# Allegro board rt1064_som_wifi.brd (continued)
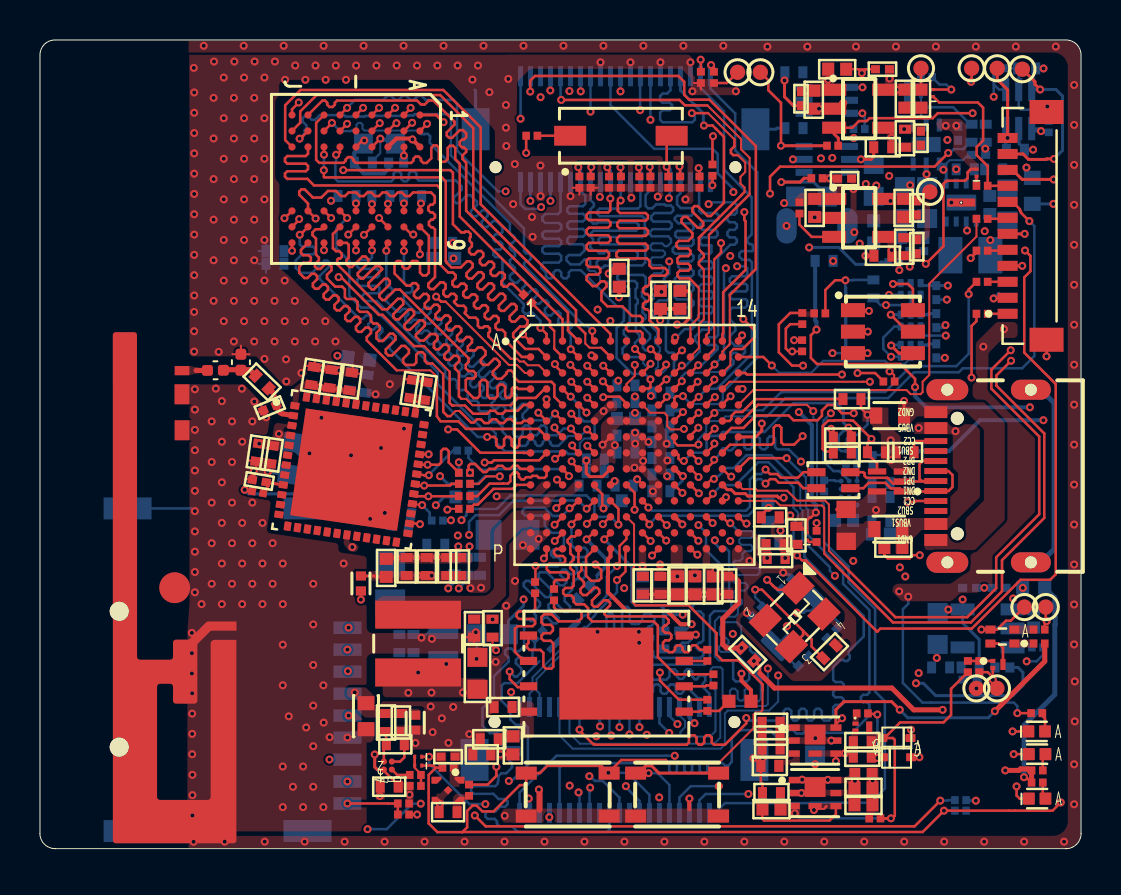
[diagram p0: board, top side]
## Routing (per net, layer and track width the routed paths; a pad name or vN(x,y) marks a point on that pad's centre or on a via; arc(x,y) is an arc through that point) (continued)
SEMC_A12: length 24
  TOP w0.127: U9.G1 13.82,36.33 13.82,34.48 13.97,34.32 15.19,34.32 15.31,34.44 15.31,34.5 15.42,34.61 15.57,34.61 15.69,34.5 15.69,34.44 15.8,34.32 18.06,34.32 18.06,34.32 18.57,34.32 18.69,34.43 18.69,34.52 18.8,34.64 18.96,34.64 19.07,34.52 19.07,34.43 19.18,34.32 19.35,34.32 19.58,34.55 19.58,35.08 19.69,35.19 19.85,35.19 19.96,35.08 19.96,34.5 20.09,34.38 20.27,34.38 20.4,34.51 20.4,35.06 20.51,35.18 20.67,35.18 20.78,35.06 20.78,34.51 21,34.29 21,31.64 26.15,26.49 U3.A3
SEMC_BA0: length 24.1
  TOP w0.102: U3.C1 24.27,23.81 23.87,24.21 23.47,24.21 20.3,27.38
  TOP w0.127: v1(19.82,27.63) 20.07,27.38 20.3,27.38 ; U9.G7 v1(14.57,31.56)
  SIG1 w0.127: v1(19.82,27.63) 19.67,27.78 19.67,31.32 19.5,31.49 19.2,31.49 19.09,31.6 19.09,31.76 19.2,31.87 19.49,31.87 19.67,32.05 19.67,32.51 19.52,32.66 19.28,32.66 19.17,32.77 19.17,33.14 19.06,33.26 18.9,33.26 18.79,33.14 18.79,32.77 18.68,32.66 18.55,32.66 18.44,32.77 18.44,33.12 18.33,33.23 18.17,33.23 18.06,33.12 18.06,32.77 17.95,32.66 17.79,32.66 17.68,32.77 17.68,33.12 17.57,33.23 17.41,33.23 17.3,33.12 17.3,32.77 17.19,32.66 17.03,32.66 16.92,32.77 16.92,33.12 16.8,33.23 16.65,33.23 16.54,33.12 16.54,32.77 16.42,32.66 16.27,32.66 16.14,32.78 16.14,33.25 16.03,33.36 15.87,33.36 15.76,33.25 15.76,32.77 15.67,32.68 15.53,32.68 15.16,33.05 15,33.05 14.89,32.93 14.89,32.78 15.26,32.41 15.26,32.26 14.82,31.82 14.82,31.81 v1(14.57,31.56)
SEMC_BA1: length 24.1
  TOP w0.102: 19.64,24.28 20.18,23.75 ; 21,21.9 20.8,21.9 20.54,21.65
  TOP w0.127: 19.64,24.28 19.39,24.28 19.26,24.41 19.26,24.72 19.14,24.85 18.96,24.85 18.83,24.72 18.83,24.33 18.71,24.21 18.3,24.21 18.17,24.34 18.17,24.52 18.46,24.81 18.46,24.97 18.27,25.16 18.09,25.16 17.61,24.68 17.43,24.68 17.31,24.81 17.31,24.99 17.79,25.47 17.79,25.65 17.67,25.77 17.51,25.77 17.15,25.41 16.97,25.41 16.84,25.53 16.84,25.81 17,25.98 17,26.15 16.88,26.28 16.69,26.28 16.56,26.41 16.56,26.69 16.38,26.87 16.01,26.87 15.89,26.99 15.89,27.36 15.75,27.51 15.35,27.51 15.26,27.6 15.26,28 15.13,28.13 14.77,28.13 14.36,28.54 14.36,28.72 14.59,28.95 14.59,29.14 14.46,29.26 14.28,29.26 14.03,29.01 13.87,29.01 13.76,29.13 13.76,29.26 13.96,29.45 13.96,29.58 13.81,29.73 13.81,30.53 13.64,30.7 13.64,30.84 13.79,31 14.09,31 U9.G8 ; U3.F1 24.2,21.41 24.09,21.3 23.77,21.3 23.58,21.5 23.4,21.5 23.2,21.3 23.01,21.3 22.82,21.49 22.63,21.49 22.44,21.3 22.25,21.3 22.06,21.49 21.87,21.49 21.7,21.32 21.57,21.32 21,21.9 ; 20.54,21.65 20.39,21.65 20.18,21.86 20.18,23.75
SEMC_CAS: length 24.8
  TOP w0.127: U9.F7 v1(15.37,31.56) ; v1(26.56,22.62) 26.53,22.62 U3.D3
  BOTTOM w0.102: 26.78,19.74 27.01,19.98 27.01,20.3 27.24,20.53 27.53,20.53
  BOTTOM w0.127: 26.78,19.74 26.76,19.74 26.76,19.75 26.44,19.75 26.32,19.88 23.27,19.88 22.81,20.35 22.81,20.78 22.55,21.03 22.12,21.03 19.89,23.26 19.9,23.27 19.9,23.84 16.67,27.08 16.07,27.08 15.48,27.67 15.48,29.4 14.84,30.05 14.84,31.03 v1(15.37,31.56) ; v1(26.56,22.62) 26.98,22.2 26.98,21.62 27.23,21.38 27.63,21.38 27.75,21.25 27.75,20.75 27.53,20.53
SEMC_CKE: length 24.1
  TOP w0.127: U3.A2 25.35,25.76 v1(25.04,26.07) ; v1(14.82,34.73) 14.89,34.73 15.01,34.85 U9.F3
  BOTTOM w0.127: v1(25.04,26.07) 25.04,26.42 24.64,26.83 24.48,26.83 24.43,26.78 24.27,26.78 24.16,26.89 24.16,27.05 24.21,27.09 24.21,27.25 23.14,28.32 23.14,29.49 23.03,29.61 22.8,29.61 22.69,29.72 22.69,29.87 22.8,29.99 23.03,29.99 23.14,30.1 23.14,30.26 23.03,30.37 22.8,30.37 22.69,30.48 22.69,30.64 22.8,30.75 23.03,30.75 23.14,30.86 23.14,31.1 22.83,31.41 22.68,31.41 22.38,31.11 22.22,31.11 22.11,31.22 22.11,31.38 22.41,31.68 22.41,31.84 22.3,31.95 22.14,31.95 21.84,31.65 21.68,31.65 21.57,31.76 21.57,31.92 21.87,32.22 21.87,32.38 21.54,32.71 21.38,32.71 20.98,32.31 20.82,32.31 20.71,32.42 20.71,32.58 21.11,32.98 21.11,33.14 20.8,33.44 18.95,33.44 18.84,33.55 18.84,33.78 18.73,33.89 18.57,33.89 18.46,33.78 18.46,33.51 18.35,33.4 18.19,33.4 18.08,33.51 18.08,33.78 17.97,33.89 17.81,33.89 17.7,33.78 17.7,33.51 17.58,33.39 14.91,33.39 14.78,33.52 14.78,34.34 14.82,34.37 v1(14.82,34.73)
SEMC_CLK: length 3.4
  TOP w0.102: 25.74,25.91 25.74,25.1 25.73,25.09 25.73,25.03
  TOP w0.127: 25.73,25.03 U3.B3 ; R74.1 25.52,26.4 25.52,26.13 25.74,25.91
SEMC_CS0: length 24
  TOP w0.102: 19.22,25.15 19.24,25.13 19.24,25.13 19.53,24.85 19.53,24.84 20.5,23.87 ; 20.68,22.18 21.09,22.18 21.26,22.18
  TOP w0.127: 19.22,25.15 18.72,25.15 17.86,26.01 17.85,26.01 17.14,26.72 16.95,26.72 15.06,28.61 v1(14.95,28.61) ; 20.68,22.18 20.63,22.18 20.5,22.31 20.5,23.87 ; U9.G9 v1(14.21,29.95) ; U3.E1 24.2,22.21 23.91,21.91 23.29,21.91 23.14,21.77 22.91,21.77 22.76,21.91 22.53,21.91 22.38,21.77 21.68,21.77 21.26,22.18
  SIG1 w0.127: v1(14.95,28.61) 14.95,29.03 14.83,29.15 14.75,29.15 14.63,29.26 14.63,29.41 14.75,29.53 14.83,29.53 14.95,29.64 14.95,29.8 14.83,29.91 14.75,29.91 14.63,30.02 14.63,30.18 14.75,30.29 14.83,30.29 14.95,30.4 14.95,30.68 14.81,30.82 13.66,30.82 13.5,30.66 13.5,30.49 13.61,30.38 13.75,30.38 13.86,30.27 13.86,30.11 13.75,30 13.61,30 13.5,29.89 13.5,29.73 13.61,29.62 13.75,29.62 13.86,29.51 13.86,29.35 13.75,29.24 13.61,29.24 13.5,29.13 13.5,28.47 13.63,28.34 14.22,28.34 14.34,28.47 14.34,29.47 14.21,29.6 v1(14.21,29.95)
SEMC_D0: length 24.2
  TOP w0.127: U3.E3 25.74,22.62 25.74,23.22 25.6,23.36 23.96,23.36 23.72,23.61 23.72,23.78 23.58,23.93 23.44,23.93 23.34,23.82 23.34,23.76 23.09,23.52 22.87,23.52 22.66,23.72 22.66,23.88 23,24.21 23,24.35 22.83,24.52 22.72,24.52 22.42,24.21 22.18,24.21 22.06,24.33 22.06,24.48 22.3,24.72 22.3,24.9 22.11,25.09 21.93,25.09 21.78,24.94 21.45,24.94 21.41,24.97 21.41,25.13 21.62,25.34 21.62,25.5 21.51,25.61 21.35,25.61 21.14,25.4 20.98,25.4 20.87,25.51 20.87,25.67 21.08,25.88 21.08,26.03 20.97,26.15 20.81,26.15 20.6,25.94 20.45,25.94 20.33,26.05 20.33,26.21 20.54,26.42 20.54,26.57 20.43,26.68 20.27,26.68 20.06,26.48 19.91,26.48 19.8,26.59 19.8,26.75 20,26.95 20,27.11 19.89,27.22 19.73,27.22 19.53,27.02 19.37,27.02 19.26,27.13 19.26,27.29 19.46,27.49 19.46,27.65 19.35,27.76 19.19,27.76 18.99,27.56 18.83,27.56 18.72,27.67 18.72,27.83 18.92,28.03 18.92,28.19 18.81,28.3 18.65,28.3 18.53,28.18 18.35,28.18 17.74,28.78 17.74,29.28 17.87,29.41 18.02,29.41 18.14,29.3 18.14,29.14 18.25,29.02 18.41,29.02 18.52,29.14 18.52,29.3 18.63,29.41 18.87,29.41 19.02,29.26 19.02,28.83 19.15,28.69 19.33,28.69 19.46,28.82 19.46,30.67 U9.A8
SEMC_D1: length 24.2
  TOP w0.127: U3.F3 25.85,21.71 25.85,21.71 25.78,21.78 v1(25.77,21.78) ; U9.B9 v1(18.21,29.91)
  BOTTOM w0.127: v1(25.77,21.78) 25.44,21.44 24.28,21.44 24.15,21.56 24.15,21.74 24.4,21.99 24.4,22.15 24.29,22.26 24.13,22.26 23.84,21.97 23.68,21.97 23.57,22.08 23.57,22.24 23.86,22.53 23.86,22.69 23.75,22.8 23.59,22.8 23.3,22.51 23.14,22.51 23.03,22.62 23.03,22.78 23.32,23.07 23.32,23.23 23.21,23.34 23.05,23.34 22.76,23.05 22.6,23.05 22.49,23.16 22.49,23.32 22.78,23.61 22.78,23.76 22.67,23.88 22.51,23.88 22.22,23.59 22.06,23.59 21.95,23.7 21.95,23.86 22.24,24.15 22.24,24.3 22.13,24.42 21.97,24.42 21.68,24.12 21.52,24.12 21.41,24.24 21.41,24.39 21.7,24.68 21.7,24.84 21.59,24.95 21.43,24.95 21.14,24.66 20.99,24.66 20.87,24.78 20.87,24.93 21.16,25.22 21.16,25.38 21.05,25.49 20.89,25.49 20.6,25.2 20.45,25.2 20.33,25.31 20.33,25.47 20.63,25.76 20.63,25.92 20.51,26.03 20.36,26.03 20.07,25.74 19.91,25.74 19.8,25.85 19.8,26.01 20.09,26.3 20.09,26.46 19.97,26.57 19.82,26.57 19.53,26.28 19.37,26.28 19.26,26.39 19.26,26.55 19.55,26.84 19.55,27 19.44,27.11 19.28,27.11 18.99,26.82 18.83,26.82 18.21,27.44 18.21,27.71 18.32,27.82 18.52,27.82 18.63,27.93 18.63,28.09 18.52,28.2 18.32,28.2 18.21,28.31 v1(18.21,29.91)
SEMC_D2: length 24.4
  TOP w0.127: v1(18.68,30.74) 18.66,30.76 18.57,30.76 U9.B8 ; U3.F4 v1(26.59,21.77)
  SIG1 w0.102: 25.21,22.06 25.57,22.06 25.63,22.13 25.92,22.13 25.98,22.06 26.06,22.06
  SIG1 w0.127: v1(18.68,30.74) 18.68,31.07 18.77,31.16 19.23,31.16 19.38,31.01 19.38,27.56 19.46,27.48 19.46,27.47 19.67,27.26 19.68,27.26 19.95,26.98 20.11,26.98 20.31,27.18 20.47,27.18 20.58,27.06 20.58,26.91 20.38,26.71 20.38,26.55 20.49,26.44 20.65,26.44 20.85,26.64 21,26.64 21.12,26.53 21.12,26.37 20.92,26.17 20.92,26.01 21.03,25.9 21.19,25.9 21.39,26.1 21.54,26.1 21.66,25.99 21.66,25.83 21.46,25.63 21.46,25.48 21.59,25.34 21.75,25.34 22.14,25.74 22.3,25.74 22.41,25.62 22.41,25.47 22.02,25.07 22.02,24.92 22.11,24.83 22.27,24.83 22.63,25.18 22.78,25.18 22.89,25.07 22.89,24.91 22.54,24.56 22.54,24.4 22.65,24.29 22.81,24.29 23.16,24.64 23.32,24.64 23.43,24.53 23.43,24.38 23.08,24.02 23.08,23.86 23.19,23.75 23.35,23.75 23.7,24.11 23.86,24.11 23.97,23.99 23.97,23.84 23.62,23.48 23.62,23.32 23.71,23.23 23.87,23.23 24.22,23.59 24.38,23.59 24.49,23.47 24.49,23.32 24.14,22.96 24.14,22.8 24.23,22.71 24.38,22.71 24.57,22.9 24.73,22.9 24.84,22.79 24.84,22.63 24.65,22.44 24.65,22.28 24.75,22.18 25.09,22.18 25.21,22.06 ; 26.06,22.06 26.36,21.77 v1(26.59,21.77)
SEMC_D3: length 24.1
  TOP w0.127: U3.G4 26.57,20.99 v1(26.57,21.03) ; v1(17.33,29.92) 17.33,30.24 U9.C9
  BOTTOM w0.127: v1(17.33,29.92) 17.33,28.21 17.44,28.1 17.53,28.1 17.64,27.99 17.64,27.83 17.53,27.72 17.44,27.72 17.33,27.61 17.33,27.4 17.86,26.87 18.02,26.87 18.16,27.01 18.32,27.01 18.43,26.9 18.43,26.74 18.29,26.6 18.29,26.44 18.4,26.33 18.56,26.33 18.7,26.47 18.86,26.47 18.97,26.36 18.97,26.2 18.83,26.06 18.83,25.9 18.94,25.79 19.1,25.79 19.24,25.93 19.39,25.93 19.51,25.82 19.51,25.66 19.37,25.52 19.37,25.36 19.48,25.25 19.64,25.25 19.78,25.39 19.93,25.39 20.05,25.28 20.05,25.12 19.91,24.98 19.91,24.82 20.02,24.71 20.18,24.71 20.32,24.85 20.47,24.85 20.58,24.74 20.58,24.58 20.44,24.44 20.44,24.29 20.56,24.17 20.71,24.17 20.85,24.31 21.01,24.31 21.12,24.2 21.12,24.04 20.98,23.9 20.98,23.75 21.1,23.63 21.25,23.63 21.39,23.77 21.55,23.77 21.66,23.66 21.66,23.5 21.52,23.36 21.52,23.21 21.63,23.1 21.79,23.1 21.93,23.24 22.09,23.24 22.2,23.12 22.2,22.97 22.06,22.83 22.06,22.67 22.17,22.56 22.33,22.56 22.47,22.7 22.63,22.7 22.74,22.58 22.74,22.43 22.6,22.29 22.6,22.13 22.71,22.02 22.87,22.02 23.01,22.16 23.17,22.16 23.28,22.05 23.28,21.89 23.14,21.75 23.14,21.59 23.25,21.48 23.41,21.48 23.55,21.62 23.71,21.62 23.82,21.51 23.82,21.35 23.68,21.21 23.68,20.76 23.83,20.61 24.01,20.61 24.16,20.75 24.16,21.07 24.27,21.18 24.43,21.18 24.54,21.07 24.54,20.81 24.66,20.69 24.86,20.69 24.97,20.81 24.97,21.06 25.08,21.18 25.24,21.18 25.35,21.06 25.35,20.81 25.47,20.69 25.88,20.69 26.21,21.03 v1(26.57,21.03)
SEMC_D4: length 26
  TOP w0.127: v1(16.97,31.56) 16.97,31.56 U9.C8 ; U3.F2 v1(24.94,21.82)
  SIG1 w0.127: v1(16.97,31.56) 17.2,31.33 17.33,31.33 17.45,31.21 17.45,31.05 17.58,30.92 17.76,30.92 17.91,31.07 17.91,31.15 18.02,31.26 18.26,31.26 18.34,31.18 18.34,30.91 18.18,30.75 18.05,30.75 17.92,30.63 17.92,30.5 18.07,30.35 18.09,30.37 18.67,30.37 18.79,30.25 18.79,30.11 18.65,29.96 18.65,29.59 18.65,29.59 18.46,29.4 18.46,29.26 18.53,29.19 19.06,29.19 19.14,29.11 19.14,28.95 19.05,28.86 18.56,28.86 18.47,28.78 18.47,28.61 18.61,28.48 18.98,28.48 19.08,28.38 19.08,28.25 18.98,28.15 18.59,28.15 18.46,28.02 18.46,27.84 18.55,27.75 18.92,27.75 19.14,27.53 19.14,27.1 18.87,26.84 18.87,26.68 18.99,26.57 19.14,26.57 19.41,26.83 19.57,26.83 19.68,26.72 19.68,26.56 19.41,26.3 19.41,26.14 19.53,26.03 19.68,26.03 19.95,26.29 20.11,26.29 20.22,26.18 20.22,26.03 19.95,25.76 19.95,25.6 20.06,25.49 20.22,25.49 20.49,25.76 20.65,25.76 20.76,25.64 20.76,25.49 20.49,25.22 20.49,25.06 20.6,24.95 20.76,24.95 21.03,25.22 21.19,25.22 21.3,25.1 21.3,24.95 21.03,24.68 21.03,24.52 21.14,24.41 21.3,24.41 21.57,24.68 21.73,24.68 21.84,24.57 21.84,24.41 21.57,24.14 21.57,23.98 21.68,23.87 21.84,23.87 22.11,24.14 22.26,24.14 22.38,24.03 22.38,23.87 22.11,23.6 22.11,23.44 22.22,23.33 22.38,23.33 22.65,23.6 22.8,23.6 22.97,23.43 22.97,23.27 22.84,23.15 22.84,22.99 22.96,22.88 23.11,22.88 23.24,23 23.4,23 24.59,21.82 v1(24.94,21.82)
SEMC_D5: length 24
  TOP w0.127: U3.G5 27.45,20.91 v1(27.38,20.98) ; U9.D9 v1(16.61,29.94)
  BOTTOM w0.102: v1(27.38,20.98) 27.13,20.73 26.9,20.73 26.82,20.65 26.43,20.65
  BOTTOM w0.127: v1(16.61,29.94) 16.61,29.58 16.5,29.46 16.01,29.46 15.87,29.32 15.87,29.14 15.99,29.02 16.86,29.02 16.97,28.91 16.97,28.69 16.88,28.6 16.01,28.6 15.88,28.47 15.88,28.29 16.01,28.16 16.9,28.16 16.99,28.07 16.99,27.87 16.91,27.8 16.25,27.8 16.13,27.67 16.13,27.54 16.26,27.41 16.86,27.41 20.28,23.99 20.28,23.66 20.44,23.49 20.6,23.49 20.6,23.5 20.76,23.5 20.87,23.39 20.87,23.23 20.87,23.22 20.87,23.06 20.98,22.95 21.14,22.95 21.14,22.96 21.3,22.96 21.41,22.85 21.41,22.69 21.41,22.68 21.41,22.53 21.52,22.41 21.68,22.41 21.68,22.42 21.84,22.42 21.95,22.31 21.95,22.15 21.95,22.14 21.95,21.99 22.06,21.87 22.21,21.87 22.22,21.88 22.38,21.88 22.49,21.77 22.49,21.61 22.48,21.61 22.48,21.45 22.6,21.34 22.92,21.34 23.14,21.12 23.14,20.88 23.86,20.16 24.29,20.16 24.4,20.27 24.4,20.35 24.51,20.46 24.67,20.46 24.78,20.35 24.78,20.27 24.89,20.16 25.05,20.16 25.16,20.27 25.16,20.35 25.27,20.46 25.43,20.46 25.54,20.35 25.54,20.27 25.66,20.16 25.94,20.16 26.43,20.65
SEMC_D6: length 24.1
  TOP w0.127: U9.D8 16.21,30.72 v1(16.21,30.72) ; U3.H5 v1(27.39,20.16)
  SIG1 w0.102: 23.92,20.63 26.93,20.63 v1(27.39,20.16)
  SIG1 w0.127: 23.92,20.63 20.45,24.1 20.29,24.1 20.08,23.88 19.92,23.88 19.81,23.99 19.81,24.15 20.02,24.37 20.02,24.52 19.91,24.64 19.75,24.64 19.54,24.42 19.38,24.42 19.27,24.53 19.27,24.69 19.49,24.91 19.49,25.06 16.82,27.73 16.34,27.73 16.21,27.85 16.21,28.05 16.32,28.16 17.27,28.16 17.39,28.27 17.39,28.43 17.27,28.54 16.32,28.54 16.21,28.65 16.21,28.81 16.32,28.92 17.27,28.92 17.39,29.03 17.39,29.19 17.27,29.3 16.32,29.3 16.21,29.42 v1(16.21,30.72)
SEMC_D7: length 24.3
  TOP w0.127: v1(26.63,20.18) 26.63,20.12 U3.H4 ; U9.E9 v1(15.81,29.94)
  SIG1 w0.102: 23.68,19.93 25.99,19.93 26.25,20.18 v1(26.63,20.18)
  SIG1 w0.127: 23.68,19.93 23.57,20.03 23.57,20.2 23.74,20.36 23.74,20.47 23.62,20.59 23.42,20.59 23.35,20.52 23.35,20.46 23.05,20.17 22.88,20.17 22.8,20.25 22.8,20.5 23.07,20.76 23.07,21.06 22.94,21.18 22.76,21.18 22.55,20.97 22.17,20.97 22.01,21.13 22.01,21.29 22.32,21.6 22.32,21.76 22.21,21.87 22.05,21.87 21.74,21.56 21.58,21.56 21.47,21.67 21.47,21.83 21.78,22.14 21.78,22.3 21.67,22.41 21.51,22.41 21.2,22.1 21.04,22.1 20.93,22.21 20.93,22.37 21.24,22.68 21.24,22.84 21.13,22.95 20.97,22.95 20.66,22.64 20.5,22.64 20.39,22.75 20.39,22.91 20.7,23.22 20.7,23.38 20.59,23.49 20.44,23.49 20.12,23.18 19.97,23.18 16.37,26.77 16.37,26.93 16.53,27.08 16.53,27.24 16.41,27.35 16.26,27.35 16.11,27.2 15.94,27.2 15.81,27.33 v1(15.81,29.94)
SEMC_D8: length 24.9
  TOP w0.127: U9.E1 v1(16.17,37.08) ; U3.C6 28.25,24.11 28.25,24.11 v1(28.19,24.17)
  SIG1 w0.127: v1(16.17,37.08) 16.17,38.04 16.57,38.44 20.97,38.44 22.7,36.71 22.7,34.86 23.26,34.3 23.26,33.6 22.86,33.19 22.86,30.41 27.11,26.15 27.11,25.85 27.49,25.47 28.06,25.47 28.19,25.35 28.19,24.94 28.19,24.93 28.19,24.44 28.19,24.44 v1(28.19,24.17)
SEMC_D9: length 24.6
  TOP w0.127: U9.D2 v1(17,36.31) ; v1(27.39,24.17) 27.45,24.11 27.45,24.11 U3.C5
  SIG1 w0.127: v1(17,36.31) 16.59,36.73 16.59,37.83 16.9,38.14 20.71,38.14 22.2,36.65 22.2,33.59 22.31,33.48 22.43,33.48 22.54,33.37 22.54,33.21 22.43,33.1 22.31,33.1 22.2,32.99 22.2,32.83 22.31,32.72 22.43,32.72 22.54,32.61 22.54,32.45 22.43,32.34 22.31,32.34 22.2,32.23 22.2,32.09 22.41,31.89 22.41,30.3 26.8,25.91 26.8,25.7 27.23,25.27 27.23,24.33 v1(27.39,24.17)
SEMC_D10: length 24
  TOP w0.127: U3.D5 v1(27.39,23.37) ; U9.D1 v1(16.97,37.08)
  SIG1 w0.127: v1(16.97,37.08) 16.97,37.67 17.1,37.8 20.62,37.8 21.82,36.59 21.82,33.66 21.97,33.5 21.97,33.28 21.82,33.12 21.82,32.91 21.97,32.76 21.97,32.53 21.82,32.38 21.82,31.86 22.09,31.59 22.09,30.04 23.7,28.44 23.7,28.23 23.88,28.05 24.28,28.05 24.54,27.79 24.54,27.42 24.77,27.19 25.13,27.19 25.3,27.03 25.3,26.84 25.5,26.64 25.68,26.64 25.89,26.43 25.89,26.25 25.87,26.23 25.87,26 25.98,25.89 26.34,25.89 26.4,25.83 26.4,25.49 26.53,25.36 26.81,25.36 26.93,25.23 26.93,24.85 26.8,24.71 26.8,24.48 26.96,24.31 26.96,23.49 27.08,23.37 v1(27.39,23.37)
SEMC_D11: length 24.1
  TOP w0.127: v1(17.84,36.31) 17.8,36.31 U9.C2 ; U3.C4 v1(26.54,24.21)
  SIG1 w0.127: v1(17.84,36.31) 17.59,36.56 17.59,36.61 17.58,36.62 17.58,36.64 17.4,36.81 17.4,37.37 17.53,37.49 20.3,37.49 21.52,36.27 21.52,36.02 21.41,35.91 21.2,35.91 21.09,35.8 21.09,35.64 21.2,35.53 21.41,35.53 21.52,35.41 21.52,35.26 21.41,35.15 21.2,35.15 21.09,35.03 21.09,34.88 21.2,34.76 21.41,34.76 21.52,34.65 21.52,34.5 21.41,34.38 21.2,34.38 21.09,34.27 21.09,34.11 21.2,34 21.41,34 21.48,33.93 21.48,33.75 21.37,33.64 21.36,33.64 21.25,33.53 21.25,33.37 21.36,33.26 21.37,33.26 21.48,33.15 21.48,31.5 21.76,31.23 21.76,29.78 25.08,26.46 25.2,26.46 25.6,26.07 25.6,25.91 25.39,25.7 25.39,25.55 25.5,25.44 25.66,25.44 25.87,25.64 26.02,25.64 26.15,25.51 26.15,24.61 v1(26.54,24.21) 26.59,24.17
SEMC_D12: length 24.3
  TOP w0.127: U9.C1 v1(17.77,37.08) ; U3.D4 v1(26.59,23.37)
  SIG1 w0.127: v1(26.59,23.37) 26.59,23.69 26.42,23.86 25.88,23.86 25.88,23.87 25.53,23.87 22.17,27.23 22.17,27.41 22.62,27.87 22.62,28.02 22.51,28.14 22.35,28.14 21.9,27.69 21.74,27.69 21.63,27.8 21.63,27.96 22.08,28.41 22.08,28.56 21.97,28.68 21.81,28.68 21.36,28.23 21.17,28.23 21.03,28.37 21.03,28.69 21.14,28.8 21.48,28.8 21.6,28.91 21.6,29.07 21.48,29.18 21.22,29.18 21.11,29.29 21.11,30.75 20.55,31.32 20.55,33.57 20.44,33.68 20.15,33.68 20.04,33.79 20.04,33.95 20.15,34.06 20.44,34.06 20.55,34.17 20.55,35.36 19.83,36.08 19.83,36.58 19.7,36.71 18.14,36.71 v1(17.77,37.08)
SEMC_D13: length 24
  TOP w0.127: U3.E5 v1(27.39,22.57) ; U9.B2 v1(18.62,36.33)
  SIG1 w0.102: v1(27.39,22.57) 26.94,22.12 26.4,22.12 25.76,22.76 25.6,22.76 25.51,22.85
  SIG1 w0.127: v1(18.62,36.33) 17.4,35.11 17.4,33.69 17.51,33.58 17.67,33.58 17.78,33.69 17.78,34.05 17.89,34.16 18.05,34.16 18.16,34.05 18.16,33.69 18.27,33.58 18.43,33.58 18.54,33.69 18.54,34.05 18.66,34.16 18.81,34.16 18.93,34.05 18.93,33.69 19.04,33.58 19.22,33.58 19.92,32.88 19.95,32.88 19.95,28.07 20.16,27.85 20.47,27.85 20.58,27.74 20.58,27.43 21.62,26.39 21.97,26.39 25.51,22.85
SEMC_D14: length 24.2
  TOP w0.127: v1(25.77,24.25) 25.79,24.23 25.79,24.17 25.85,24.11 25.85,24.11 U3.C3 ; v1(18.55,37.07) 18.55,37.05 U9.B1
  SIG1 w0.127: v1(25.77,24.25) 25.77,24.79 25.68,24.88 25.52,24.88 25.31,24.67 25.16,24.67 25.05,24.79 25.05,24.94 25.25,25.15 25.25,25.31 25.18,25.38 24.97,25.38 24.82,25.23 24.63,25.23 24.48,25.38 24.48,25.51 24.65,25.68 24.65,26.37 24.51,26.5 24.36,26.5 23.89,26.04 23.73,26.04 23.62,26.15 23.62,26.31 24.09,26.77 24.09,26.93 23.97,27.04 23.82,27.04 23.35,26.58 23.19,26.58 23.08,26.69 23.08,26.85 23.55,27.31 23.55,27.52 23.48,27.59 23.3,27.59 23,27.3 22.85,27.3 22.73,27.41 22.73,27.61 23,27.88 23,28.07 21.45,29.62 21.45,30.98 20.83,31.6 20.83,31.75 20.94,31.86 21.07,31.86 21.18,31.97 21.18,32.13 21.07,32.24 20.94,32.24 20.83,32.35 20.83,32.51 20.94,32.62 21.07,32.62 21.18,32.74 21.18,32.89 21.07,33 20.94,33 20.83,33.12 20.83,36.48 20.23,37.07 v1(18.55,37.07)
SEMC_D15: length 24.1
  TOP w0.127: U3.E4 26.97,22.21 v1(27.35,21.83) ; U9.A2 v1(19.37,36.28)
  SIG1 w0.127: v1(27.35,21.83) 27.79,22.27 27.79,22.7 27.82,22.73 27.82,22.74 27.9,22.83 27.9,22.98 27.78,23.11 27.72,23.11 27.61,22.99 27.22,22.99 27.09,23.12 26.9,23.12 26.78,23 26.78,22.99 26.71,22.99 26.71,22.99 26.39,22.99 26.33,23.05 26.2,23.18 26.12,23.18 26.05,23.17 25.88,23 25.75,23 25.66,23.08 25.66,23.24 25.67,23.25 25.67,23.4 25.56,23.51 25.4,23.51 25.39,23.51 25.24,23.51 24.93,23.81 24.93,24.07 24.8,24.21 24.54,24.21 24.4,24.35 24.4,24.61 24.26,24.75 24,24.75 23.86,24.89 23.86,25.15 23.72,25.28 23.46,25.28 23.32,25.42 23.32,25.68 23.18,25.82 22.92,25.82 22.78,25.96 22.78,26.22 22.64,26.36 22.38,26.36 22.24,26.5 22.24,26.76 22.1,26.9 21.84,26.9 21.67,27.07 21.67,27.23 21.68,27.24 21.68,27.4 21.57,27.51 21.41,27.51 21.4,27.5 21.24,27.5 21.13,27.61 21.13,27.77 21.14,27.78 21.14,27.94 21.03,28.05 20.87,28.05 20.86,28.04 20.7,28.04 20.27,28.48 20.27,28.6 20.46,28.79 20.75,28.79 20.86,28.9 20.86,29.06 20.75,29.17 20.38,29.17 20.27,29.29 20.27,33.01 19.37,33.91 19.37,34.12 19.48,34.23 19.76,34.23 19.88,34.34 19.88,34.5 19.76,34.61 19.48,34.61 19.37,34.72 v1(19.37,36.28)
SEMC_DM0: length 24.3
  TOP w0.127: U3.H3 26.11,19.81 25.81,19.5 25.78,19.5 v1(25.78,19.51) ; U9.E8 v1(15.43,30.73)
  SIG1 w0.127: v1(25.78,19.51) 25.42,19.51 25.33,19.42 25.19,19.42 25.08,19.53 25.08,19.6 24.97,19.71 24.81,19.71 24.7,19.6 24.7,19.53 24.59,19.42 24.43,19.42 24.32,19.53 24.32,19.6 24.2,19.71 24.05,19.71 23.94,19.6 23.94,19.53 23.82,19.42 23.67,19.42 23.55,19.53 23.55,19.6 23.44,19.71 23.28,19.71 23.17,19.6 23.17,19.53 23.06,19.42 22.72,19.42 22.45,19.69 22.27,19.69 22.18,19.78 22.18,19.94 22.27,20.04 22.27,20.19 22.16,20.31 22,20.31 21.91,20.21 21.75,20.21 21.66,20.3 21.66,20.46 21.86,20.66 21.86,20.81 21.75,20.92 21.59,20.92 21.39,20.73 21.23,20.73 21.12,20.84 21.12,21 21.32,21.19 21.32,21.35 21.21,21.46 21.05,21.46 20.85,21.27 20.69,21.27 20.58,21.38 20.58,21.54 20.78,21.73 20.78,21.89 20.67,22 20.51,22 20.31,21.81 20.16,21.81 20.04,21.92 20.04,22.08 20.24,22.27 20.24,22.43 20.13,22.54 19.97,22.54 19.77,22.35 19.62,22.35 19.5,22.46 19.5,22.62 19.7,22.81 19.7,22.97 19.59,23.08 19.43,23.08 19.24,22.88 19.08,22.88 18.93,23.03 18.93,23.19 19.02,23.28 19.02,23.44 18.91,23.55 18.75,23.55 18.58,23.39 18.42,23.39 15.43,26.38 v1(15.43,30.73)
SEMC_DM1: length 25.2
  TOP w0.127: U3.D6 28.25,23.31 28.25,23.31 v1(28.17,23.39) ; U9.F1 v1(15.37,37.08)
  SIG1 w0.102: v1(28.17,23.39) 28.56,23.78 28.56,25.53
  SIG1 w0.127: 28.56,25.53 27.79,26.31 27.43,26.31 23.3,30.43 23.3,30.9 23.41,31.01 23.43,31.01 23.54,31.12 23.54,31.28 23.43,31.39 23.41,31.39 23.3,31.5 v1(23.3,32.9)
  BOTTOM w0.127: v1(15.37,37.08) 15.77,37.47 17.18,37.47 17.39,37.69 17.56,37.69 17.77,37.47 17.94,37.47 18.16,37.69 18.32,37.69 18.54,37.47 18.7,37.47 18.92,37.69 19.08,37.69 19.3,37.47 20.7,37.47 20.87,37.31 20.87,34.95 22.92,32.9 v1(23.3,32.9)
SEMC_RAS: length 24
  TOP w0.102: 23.56,22.19 21.64,22.19 21.32,22.51 21.09,22.51
  TOP w0.127: 21.09,22.51 20.96,22.64 20.96,23.83 20.77,24.03 20.77,24.19 20.98,24.4 20.98,24.56 20.87,24.67 20.71,24.67 20.51,24.47 20.33,24.47 20.23,24.56 20.23,24.72 20.47,24.95 20.47,25.11 20.36,25.22 20.2,25.22 19.96,24.99 19.81,24.99 19.71,25.09 19.72,25.1 19.72,25.31 19.89,25.49 19.89,25.64 19.78,25.75 19.53,25.75 19.2,25.43 19.01,25.43 18.81,25.62 18.81,25.73 19.26,26.17 19.26,26.33 19.15,26.44 18.99,26.44 18.51,25.96 18.35,25.96 18.24,26.08 18.24,26.23 18.72,26.71 18.72,26.87 18.61,26.98 18.45,26.98 17.96,26.49 17.8,26.49 17.69,26.6 17.69,26.76 18.18,27.25 18.18,27.41 18.07,27.52 17.91,27.52 17.38,26.99 17.13,26.99 14.87,29.25 14.87,29.47 14.94,29.53 15.02,29.53 15.1,29.61 15.1,29.78 14.98,29.9 14.81,29.9 14.67,30.04 14.66,30.04 14.66,30.77 U9.F8 ; U3.D2 25.25,23.01 24.8,22.56 23.89,22.56 23.89,22.53 23.56,22.19
SEMC_WE: length 24.2
  TOP w0.127: U9.F9 15.36,30.32 15.45,30.23 15.45,29.57 15.34,29.46 15.34,29.25 15.48,29.11 15.61,29.11 16.14,29.63 16.29,29.63 16.43,29.5 16.43,29.33 15.9,28.8 15.9,28.69 16.06,28.53 16.17,28.53 16.79,29.15 16.99,29.15 17.12,29.02 17.12,28.99 16.44,28.32 16.44,28.15 16.6,27.99 16.71,27.99 17.24,28.52 17.4,28.52 17.51,28.41 17.51,28.25 16.98,27.72 16.98,27.61 17.14,27.46 17.25,27.46 17.78,27.98 18.01,27.98 21.45,24.54 21.45,24.36 21.31,24.22 21.31,24.04 21.44,23.9 21.69,23.9 21.8,23.79 21.8,23.63 21.7,23.53 21.39,23.53 21.31,23.45 21.31,22.94 21.69,22.55 21.9,22.55 22.01,22.67 22.01,23.35 22.12,23.46 22.28,23.46 22.39,23.35 22.39,22.66 22.52,22.54 22.78,22.54 22.9,22.65 22.9,23.11 23.01,23.22 23.17,23.22 23.28,23.11 23.28,22.65 23.37,22.56 23.49,22.56 23.61,22.69 23.61,23.01 23.68,23.08 23.87,23.08 23.94,23.01 U3.D1
TCK: length 1
  TOP w0.127: R112.2 J4.3
TDI: length 1
  TOP w0.127: J4.5 48.38,29.93 R111.2
TDO: length 1
  TOP w0.127: R113.2 J4.1
TMS: length 1
  TOP w0.127: J4.7 48.37,31.52 R110.2
U6_FB:
  vias: v1(42.62,29.96)
U6_VIN:
  vias: v1(39.52,33.55)
UART1_RXD: length 49.9
  TOP w0.102: U3.L14 36.32,17.41 36.32,17.41 36.61,17.41 36.61,17.41 36.8,17.41 37.03,17.18 39.13,17.18 39.25,17.06 39.25,14.76 39.86,14.15
  TOP w0.127: 39.86,14.15 42.68,11.32 46.58,11.32 48.14,12.88 48.14,14.44 50.26,16.55 50.26,20.78 47.86,23.17 47.86,23.69 v1(48.59,24.42)
  SIG1 w0.127: v1(47.73,37.63) 49.01,37.63 50.56,36.08 50.56,35.67 50.35,35.46 50.35,32.42 50.35,26.17 v1(48.59,24.42)
  BOTTOM w0.127: v1(47.73,37.63) 47.73,38.68 47.74,38.69 ; 47.74,38.69 47.74,38.24 47.99,37.99 U16.4 ; 47.74,38.69 R108.2
UART1_TXD: length 45
  TOP w0.102: 40,14.39 39.48,14.91 39.48,17.22 39.29,17.42 37.89,17.42 37.39,17.92 35.9,17.92 35.82,18 35.16,18 U3.K14
  TOP w0.127: 40,14.39 42.8,11.58 46.4,11.58 47.85,13.03 47.85,14.58 50,16.74 50,20.63 47.61,23.02 47.61,23.98 v1(48.58,24.94) ; 35.06,18.24 34.98,18.24 U3.K14
  SIG1 w0.127: v1(48.58,24.94) 50.09,26.46 v1(50.09,35.91)
  BOTTOM w0.127: v1(50.09,35.91) 49.76,35.91 U16.1 49.98,36.04 50.17,35.85 R107.2
